# Altium PCB Cross_V1.PcbDoc (part 2 of 2)
Units mm, origin at the board's own origin, x right, y up, seen from the top; angles counter-clockwise.
Board outline 152 x 97 mm, 4 copper layers (Top Layer, Signal Layer 1, Signal Layer 2, Bottom Layer), stack 0.778 mm thick; 184 components, 138 nets, 608 pads, 164 vias.
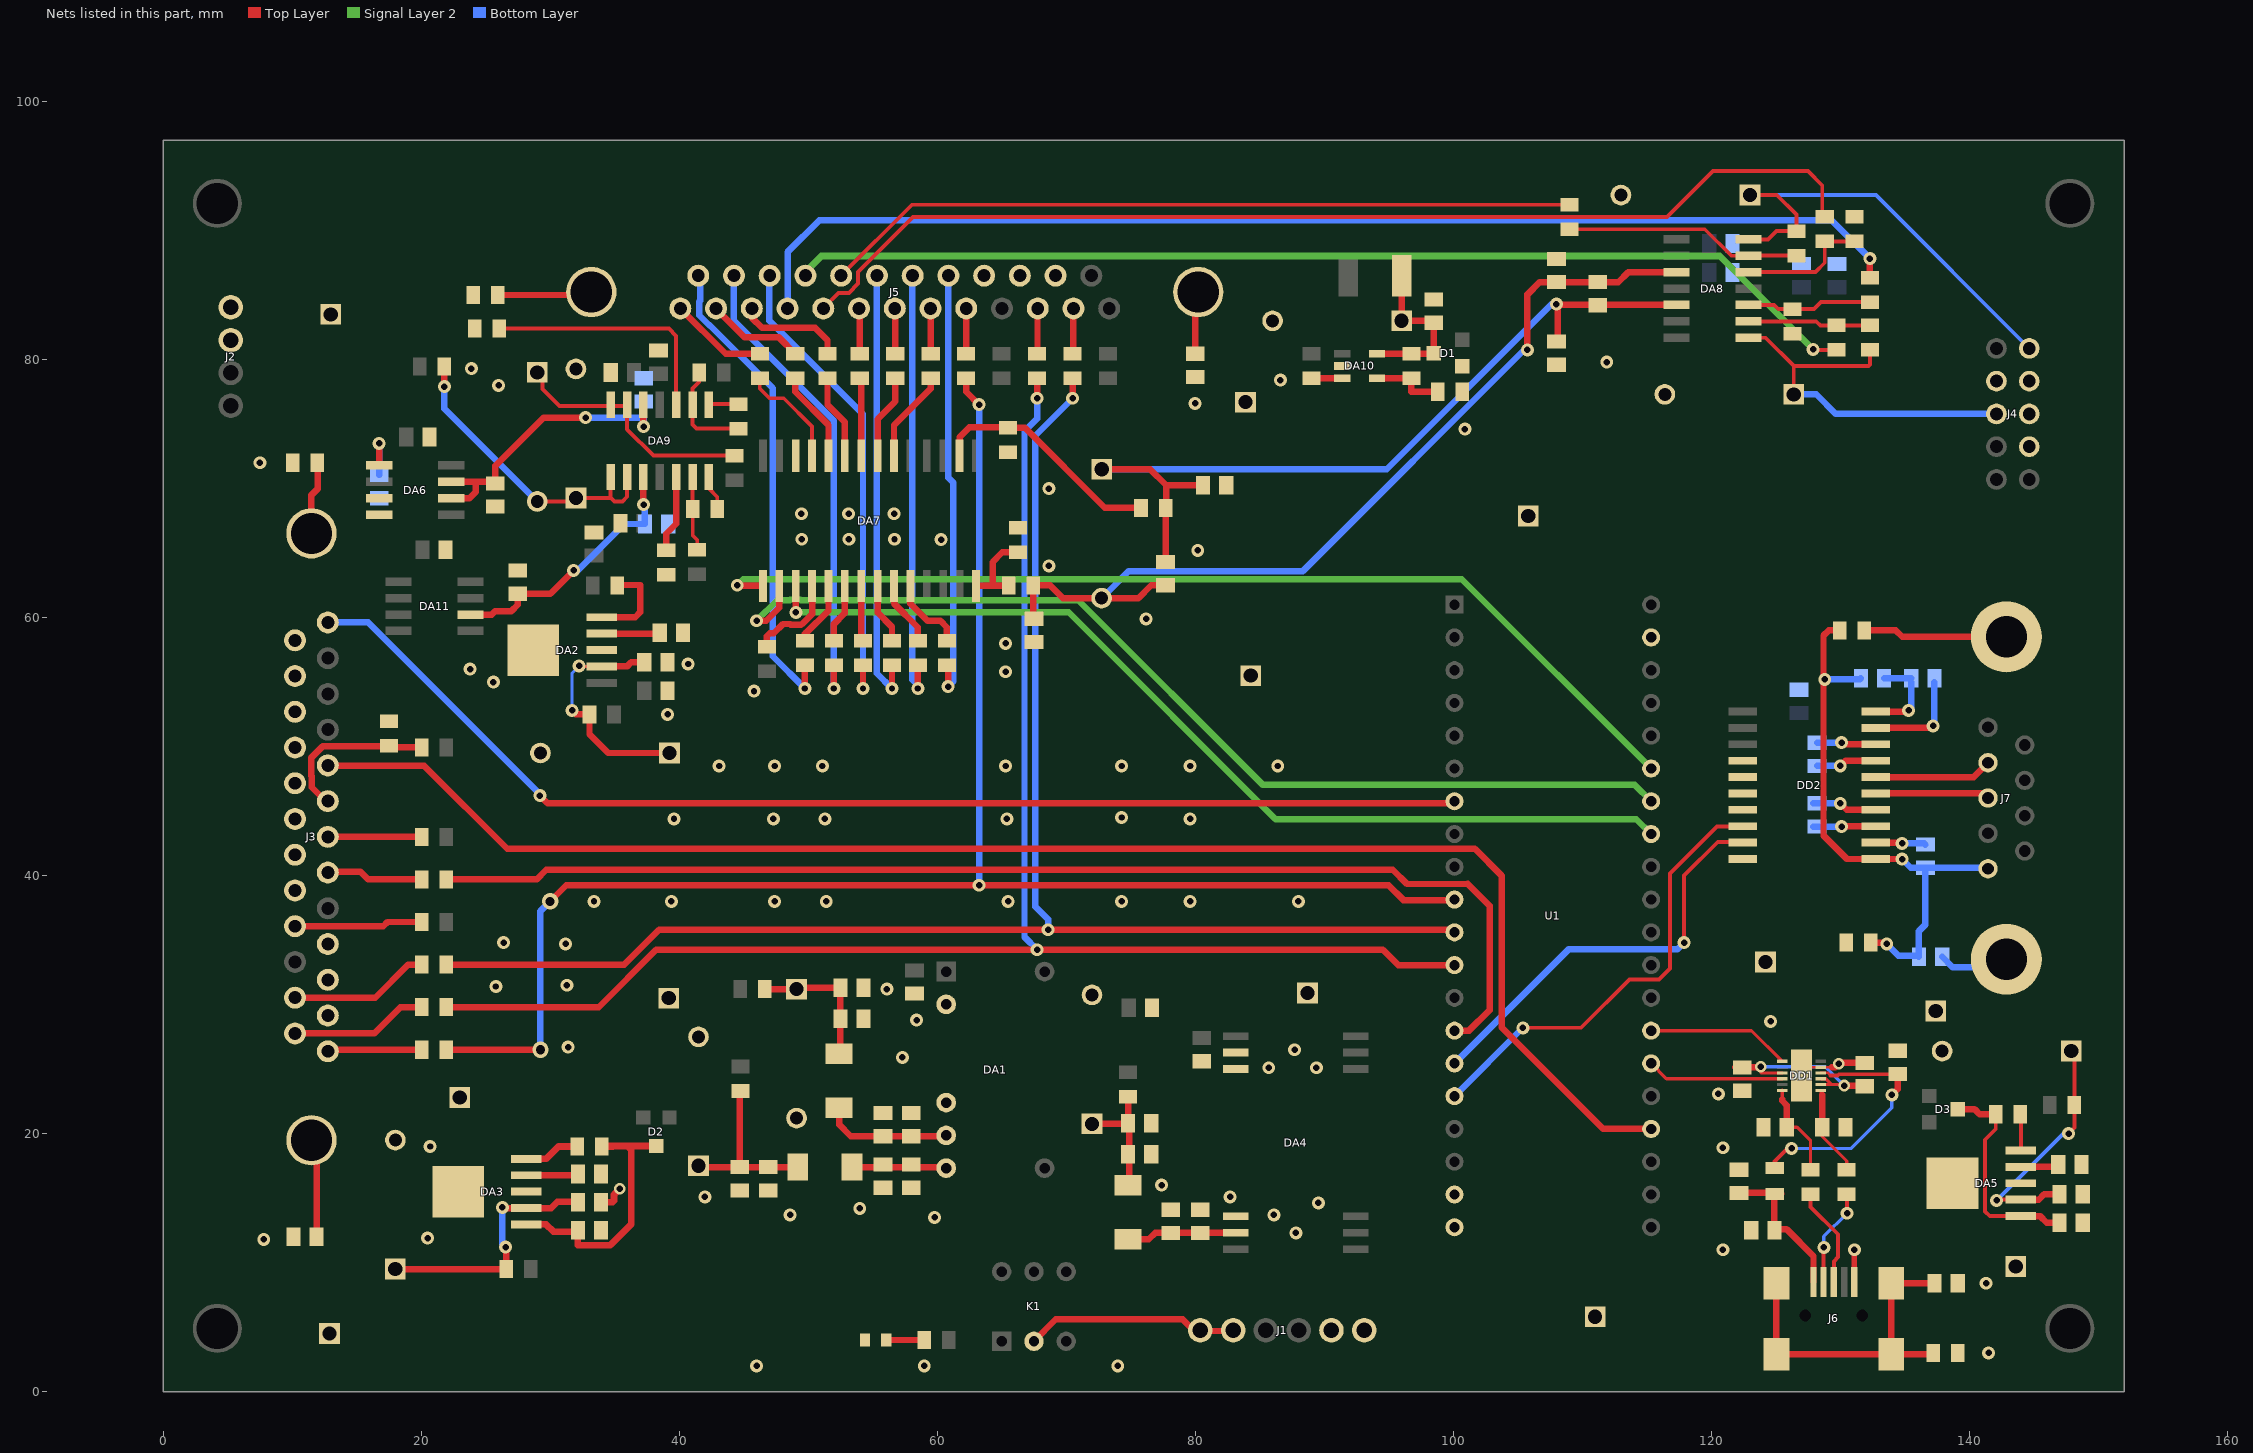
[diagram p4: the nets of this part, all layers, seen from the top]

## Via types
v1: diameter 1, hole 0.5, Top Layer to Bottom Layer, tented both sides, 121 vias
v2: diameter 1, hole 0.5, Top Layer to Bottom Layer, 35 vias
v3: diameter 0.9, hole 0.5, Top Layer to Bottom Layer, 4 vias
v4: diameter 1.27, hole 0.711, Top Layer to Bottom Layer, tented both sides, 4 vias

## Nets (pads, with @x,y where several pads share a name; then routed paths per layer and width w, separated by ;. In a path a pad name is that pad's centre, name@x,y a point inside that pad or via, vN(x,y) a via of type N, cw(c..) or ccw(c..) an arc to the next point about the centre after c; other vN are vias at no path point) (continued)
DR: J3.13 U1.7 | length 93.3
  Top Layer w0.5: v1(29.2,46.2) 29.8,45.6 99.94,45.6 U1.7@100.1,45.76 U1.7@100.056,45.804
  Bottom Layer w0.5: J3.13@12.77,59.62 15.899,59.62 29.2,46.319 v1(29.2,46.2)
DSYNC: J3.9 U1.24 | length 121.2
  Top Layer w0.5: J3.9@12.77,48.615 J3.9@12.77,48.54 12.81,48.5 20.25,48.5 26.68,42.07 101.68,42.07 103.75,40 103.75,28.25 111.64,20.36 U1.24@115.34,20.36
GND: C1.2 C2.2 C3.2 C4.2 C5.2 C6.2 C7.2 C8.2 C9.2 C10.1 C11.1 C12.2 C13.2 C14.2 C15.2 C16.2 C17.1 C18.1 C19.2 C20.1 C21.1 C22.1 C23.1 C24.1 C25.1 C26.1 C27.1 C28.1 C29.1 C30.1 C31.1 C32.1 C33.1 C34.2 C36.1 C37.1 C38.1 C39.1 C40.1 C41.2 C42.2 C43.1 C44.2 C45.2 C46.1 C47.2 C48.1 C49.1 C51.1 C55.2 C59.2 C60.2 C61.1 C62.1 C63.1 D1.1 DA1.2 DA1.5 DA2.3 DA2.6 DA3.3 DA3.6 DA4.2 DA4.3 DA4.12 DA5.3 DA5.6 DA6.3 DA6.4 DA7.12 DA10.2 DD1.5 DD1.13 DD2.4 DD2.5 DD2.6 DD2.7 DD2.10 J1.5 J1.6 J2.3 J2.4 J3.2 J3.3 J3.4 J3.18 J3.19 J3.20 J3.21 J3.22 J3.23 J3.24 J3.25 J4.3 J4.5 J4.7 J4.8 J5.15 J5.16 J5.17 J6.5 R10.2 R20.1 R23.1 R49.1 R51.1 R52.1 R55.1 R59.1 R60.2 R61.1 R62.1 R65.1 TP1.2 TP2.2 TP3.2 TP4.2 TP5.2 TP6.2 TP7.2 TP8.2 TP9.2 TP11.2 TP13.1 TP14.1 TP15.1 TP16.1 TP17.1 TP18.1 TP19.1 TP20.1 TP21.1 TP22.1 TP23.1 TP24.1 U1.19 U1.20 U1.39 VD1.1 | length 10.1
  Top Layer w0.2: DD1.13@127,24.5 127.65,25.15 DD1.5@128.5,25.15 129.35,25.15
  Top Layer w0.424: J6.5@131.1,8.5 v1(131.1,11)
  Top Layer w0.5: 129.35,25.15 129.6,25.15 v3(129.875,25.425) 129.925,25.475 C27.1@131.9,25.475
  Top Layer w0.508: C17.1@33.95,14.683 34.833,14.683 34.95,14.8 34.95,15.275 v3(35.4,15.725)
  Bottom Layer w0.254: v1(131.1,11) v1@131.2,11.1
  other v1: 46,2 59,2 74,2 141.5,3 141.3,8.4 120.9,11 7.8,11.8 20.5,11.9 87.8,12.3 59.8,13.5 48.6,13.7 86.1,13.7 54,14.2 89.55,14.625 42,15.1 82.7,15.1 77.4,16 120.9,18.9 20.7,19 120.55,23.075 85.7,25.1 89.4,25.1 57.3,25.9 87.7,26.5 31.4,26.7 124.6,28.7 58.4,28.8 56.1,31.2 25.8,31.4 31.3,31.5 31.2,34.7 26.4,34.8 33.4,38 39.4,38 47.4,38 51.4,38 65.5,38 74.3,38 79.6,38 88,38 39.6,44.4 47.3,44.4 51.3,44.4 65.4,44.4 79.6,44.4 74.3,44.5 43.1,48.494 47.4,48.494 51.1,48.494 65.3,48.494 74.3,48.494 79.6,48.494 86.4,48.494 39.1,52.5 45.8,54.3 25.6,55 65.3,55.8 23.8,56 40.7,56.4 65.3,58 76.2,59.9 68.662,64 80.2,65.2 60.308,66.04 49.505,66.065 53.162,66.065 56.693,66.065 49.479,68.047 53.137,68.047 56.667,68.047 68.662,70 7.5,72 100.9,74.6 80,76.6 26,78 86.6,78.4 23.9,79.3 111.9,79.8
GND_RS232: C56.2 C57.1 C58.2 DD2.11 J7.5 R48.1 R49.2 | length 45
  Top Layer w0.5: R48.1@130,58.95 R48.1@129.95,59 129.1,59 128.7,58.6 128.7,43.1 130.515,41.285 DD2.11@132.75,41.285 134.785,41.285 v2(134.8,41.27) ; R49.2@132.35,34.8 133.6,34.8 v2(133.6,34.7)
  Bottom Layer w0.5: v2(128.8,55.2) 131.5,55.2 C56.2@131.6,55.3 ; v2(133.6,34.7) 134.5,33.8 136,33.8 C58.2@136.1,33.7 136.1,35.7 136.6,36.2 C57.1@136.6,40.6 ; v2(134.8,41.27) 135.47,40.6 C57.1@136.6,40.6 ; J7.5@141.455,40.53 141.385,40.6 C57.1@136.6,40.6
"Hall Multiplexer A0": DA7.15 U1.35 | length 79.1
  Top Layer w0.5: v1(44.5,62.5) 44.55,62.45 DA7.15@46.495,62.45
  Signal Layer 2 w0.5: v1(44.5,62.5) 44.975,62.975 100.665,62.975 U1.35@115.34,48.3
"Hall Multiplexer A1": DA7.16 U1.34 | length 80.4
  Top Layer w0.5: v1(46,59.75) 46.75,59.75 47.765,60.765 DA7.16@47.765,62.45
  Signal Layer 2 w0.5: v1(46,59.75) 47.6,61.35 48.577,61.35 48.627,61.4 49.373,61.4 49.423,61.35 70.925,61.35 85.25,47.025 114.075,47.025 U1.34@115.34,45.76
"Hall Multiplexer A2": DA7.17 U1.33 | length 75.5
  Top Layer w0.5: DA7.17@49.035,62.45 49,62.415 49.05,62.365 v1(49.05,60.4)
  Signal Layer 2 w0.5: v1(49.05,60.4) 70.2,60.4 86.23,44.37 114.19,44.37 U1.33@115.34,43.22
MISO: R8.1 R18.1 U1.11 | length 124.1
  Top Layer w0.5: R8.1@21.95,33.1 35.742,33.1 38.442,35.8 v1(68.6,35.8) 99.7,35.8 100,35.5 U1.11@100.1,35.6 ; v1(70.5,77) 70.5,78.35 70.6,78.45 R18.1@70.5,78.55
  Bottom Layer w0.5: v1(68.6,35.8) 68.6,36.6 67.6,37.6 67.6,74.1 v1(70.5,77) v1@70.5,77.25
MISO1: J5.2 R18.2 | length 3.5
  Top Layer w0.5: R18.2@70.5,80.45 70.545,80.495 J5.2@70.545,83.96
MOSI: R7.1 R16.1 U1.12 | length 125.6
  Top Layer w0.5: R7.1@21.95,29.8 33.762,29.8 38.212,34.25 v1(67.75,34.25) 94.55,34.25 95.74,33.06 U1.12@100.1,33.06 ; v1(67.75,77) 67.75,78.45 67.8,78.5 R16.1@67.75,78.55
  Bottom Layer w0.5: v1(67.75,34.25) 66.769,35.231 66.769,37.256 66.769,73.756 66.769,74.444 67.75,75.426 v1(67.75,77)
MOSI1: J5.3 R16.2 | length 3.5
  Top Layer w0.5: R16.2@67.75,80.45 67.775,80.475 J5.3@67.775,83.96
NetC1_1: C1.1 C2.1 DA1.6 L1.1 | length 10
  Top Layer w0.5: L1.1@52.4,22 52.4,20.7 53.3,19.8 C1.1@55.8,19.8 C2.1@58,19.8 60.56,19.8 60.66,19.9 DA1.6@60.7,19.86
NetC3_1: C3.1 C4.1 L1.2 R24.1 TP1.1 | length 11
  Top Layer w0.5: R24.1@46.65,31.2 TP1.1@49.1,31.2 49.2,31.3 C4.1@52.5,31.3 C3.1@52.5,28.9 52.5,26.3 L1.2@52.4,26.2
NetC6_1: C6.1 C7.1 DA1.7 L2.1 | length 7.1
  Top Layer w0.5: L2.1@53.6,17.4 55.9,17.4 58.1,17.4 60.62,17.4 DA1.7@60.7,17.32
NetC8_1: C8.1 C9.1 L2.2 R26.1 TP3.1 | length 13.9
  Top Layer w0.5: TP3.1@41.5,17.5 41.6,17.4 C8.1@44.7,17.4 ; R26.1@44.75,23.3 44.7,23.25 C8.1@44.7,17.4 ; C9.1@46.9,17.4 C8.1@44.7,17.4 ; C9.1@46.9,17.5 47,17.4 L2.2@49.4,17.4
NetC10_2: C10.2 DA2.2 R25.1 TP2.1 | length 18.7
  Top Layer w0.254: v1(31.7,52.8) v1@32,52.5 ; v1(32.25,56.25) 32.29,56.21 DA2.2@34,56.21
  Top Layer w0.5: v1@32,52.5 R25.1@33.05,52.5 33.05,50.95 34.5,49.5 TP2.1@39.25,49.5 ; DA2.2@34,56.21 35.96,56.21 36.274,56.524 C10.2@37.29,56.524
  Bottom Layer w0.254: v1(31.7,52.8) 31.7,55.7 v1(32.25,56.25)
NetC11_2: C11.2 DA2.4 | length 4.5
  Top Layer w0.5: DA2.4@34,58.75 38.416,58.75 C11.2@38.49,58.824
NetC12_1: C12.1 C13.1 DA4.13 L3.1 | length 8.4
  Top Layer w0.5: L3.1@74.8,11.8 76.4,11.8 76.9,12.3 C13.1@78.1,12.3 ; C13.1@78.2,12.3 C12.1@80.3,12.3 ; C12.1@80.4,12.3 83.135,12.3 DA4.13@83.15,12.315
NetC14_1: C14.1 C15.1 L3.2 R27.1 TP5.1 | length 8.8
  Top Layer w0.5: TP5.1@72,20.75 74.75,20.75 C15.1@74.8,20.8 R27.1@74.8,22.45 ; C14.1@74.8,18.7 74.9,18.6 L3.2@74.9,16.5 ; C14.1@74.9,18.7 C15.1@74.9,20.8
NetC16_1: C16.1 D2.3 DA3.1 R2.1 | length 21.5
  Top Layer w0.508: DA3.1@28.16,12.96 29.69,12.96 30.25,12.4 32.05,12.4 C16.1@32.15,12.5 32.15,11.361 34.671,11.361 36.304,12.994 36.304,18.736 36,19.04 ; 34.85,19 R2.1@34,19 34.04,19.04 36,19.04 ; D2.3@38.234,19.04 36,19.04
NetC17_2: C17.2 DA3.2 R28.1 TP4.1 | length 19.6
  Top Layer w0.508: TP4.1@18,9.5 R28.1@26.6,9.5 26.6,11.15 v1(26.55,11.2) ; v1(26.3,14.275) 26.345,14.23 DA3.2@28.16,14.23 30.08,14.23 30.55,14.7 32.133,14.7 C17.2@32.15,14.683
  Bottom Layer w0.508: v1(26.3,14.275) 26.3,11.45 v1(26.55,11.2)
NetC18_2: C18.2 DA3.4 | length 4
  Top Layer w0.508: DA3.4@28.16,16.77 32.053,16.77 C18.2@32.15,16.867
NetC19_1: C19.1 D3.3 DA5.1 R3.1 | length 17
  Top Layer w0.3: R3.1@142.05,21.5 142.05,20.35 141.225,19.525 141.225,13.975 141.59,13.61 DA5.1@143.996,13.61
  Top Layer w0.5: D3.3@139.1,21.9 140.4,21.9 140.8,21.5 R3.1@142.05,21.5 ; DA5.1@143.996,13.61 145.49,13.61 146,13.1 C19.1@146.9,13.1
NetC20_2: C20.2 DA5.2 R29.1 TP6.1 | length 19.5
  Top Layer w0.3: v2(142.12,14.82) 142.12,14.88 DA5.2@143.996,14.88 ; v2(147.7,20) 148.15,20.45 R29.1@148.15,22.2 148.15,26.15 TP6.1@147.9,26.4
  Top Layer w0.5: DA5.2@143.996,14.88 145.38,14.88 145.8,15.3 C20.2@147,15.3
  Bottom Layer w0.3: v2(142.12,14.82) 147.3,20 v2(147.7,20)
NetC21_2: C21.2 DA5.4 | length 3.1
  Top Layer w0.5: DA5.4@143.996,17.42 146.52,17.42 C21.2@146.9,17.8
NetC23_2: C23.2 C59.1 DA9.3 DA11.6 | length 20.6
  Top Layer w0.5: DA11.6@23.838,60.23 25.48,60.23 25.75,60.5 27,60.5 27.5,61 C23.2@27.5,61.85 30.025,61.85 v2(31.825,63.65) ; DA9.3@37.23,70.9 37.23,68.77 v2(37.25,68.75)
  Bottom Layer w0.5: v2(31.825,63.65) 32.15,63.65 35.75,67.25 C59.1@37.35,67.25 37.35,68.65 v2(37.25,68.75)
NetC24_2: C24.2 DD1.4 L4.1 | length 20.4
  Top Layer w0.2: DD1.4@128.5,24.7 129.05,24.7 129.25,24.5
  Top Layer w0.3: 129.25,24.5 129.8,24.5 129.9,24.6 134.425,24.6 C24.2@134.45,24.625
  Top Layer w0.305: L4.1@125.425,17.325 124.912,17.837 125.925,18.85 v1(126.225,18.85)
  Top Layer w0.5: v1(134,23) 134.45,23.45 C24.2@134.45,24.625
  Bottom Layer w0.254: v1(126.225,18.85) 130.85,18.85 134,22 v1(134,23)
NetC25_2: C25.2 C26.2 J6.1 L4.2 | length 11.7
  Top Layer w0.5: C25.2@122.15,15.4 L4.2@124.925,15.4 ; C26.2@124.9,12.5 124.9,15.375 L4.2@124.925,15.4 ; L4.2@124.925,15.325 L4.2@124.925,15.4 ; C26.2@125.425,12.6 125.825,12.6 127.925,10.5 J6.1@127.925,8.5 ; L4.2@125.425,15.325 125.35,15.4 L4.2@124.925,15.4
NetC27_2: C27.2 C33.2 DD1.2 DD1.3 DD1.9 | length 15.6
  Top Layer w0.254: v3@123.825,25.15 v3(123.85,25.175) 123.85,24.7 DD1.9@125.5,24.7 ; DD1.2@128.5,23.8 129.332,23.8 ; DD1.3@128.5,24.25 128.882,24.25 129.332,23.8 ; v3(130.3,23.725) 130.225,23.8 129.332,23.8 ; C27.2@131.85,23.725 C27.2@131.9,23.675
  Top Layer w0.5: C33.2@121.875,25.15 v3@123.825,25.15 ; v3(130.3,23.725) C27.2@131.85,23.725
  Bottom Layer w0.254: v3(123.85,25.175) 128.85,25.175 v3(130.3,23.725)
NetC28_2: C28.2 DD1.12 R22.1 | length 7.5
  Top Layer w0.254: 125.5,22.675 DD1.12@125.5,23.35 ; C28.2@125.85,20.5 126.65,20.5 127.7,19.45 R22.1@127.7,17.2
  Top Layer w0.5: 125.5,22.675 125.5,22.535 125.85,22.185 C28.2@125.85,20.5
NetC29_2: C29.2 DD1.1 R21.1 | length 7
  Top Layer w0.2: DD1.1@128.5,23.35 128.5,23.1 128.6,23
  Top Layer w0.254: C29.2@128.6,20.5 128.6,19.775 130.5,17.875 R21.1@130.5,17.2
  Top Layer w0.5: C29.2@128.6,20.5 128.6,23
NetC30_2: C30.2 J6.6 R23.2 | length 26.4
  Top Layer w0.5: J6.6@125.05,8.4 J6.6@125.05,2.9 J6.6@133.95,2.9 ; R23.2@137.05,3 136.95,2.9 J6.6@133.95,2.9 ; C30.2@137.3,8.4 J6.6@133.95,8.4 J6.6@133.95,2.9
NetC34_1: C34.1 C35.2 C41.1 C50.2 DA8.3 R33.1 TP10.2 | length 71.4
  Top Layer w0.5: 106.7,86 C41.1@108,86 C50.2@111.2,86 112.8,86 113.55,86.75 114.48,86.75 114.5,86.77 DA8.3@117.3,86.77
  Top Layer w0.508: C34.1@67.5,59.9 67.45,59.95 R33.1@67.45,62.5 68.75,62.5 69.75,61.5 TP10.2@72.75,61.5 75.6,61.5 76.6,62.5 C35.2@77.7,62.5 ; v2@105.6,80.9 v2(105.75,80.75) 105.75,85.05 106.7,86
  Bottom Layer w0.508: TP10.2@72.75,61.5 74.85,63.6 88.35,63.6 105.5,80.75 v2(105.75,80.75)
NetC35_1: C35.1 C36.2 C50.1 C51.2 DA8.5 R43.1 TP10.1 | length 66.6
  Top Layer w0.3: v1(108,84.3) 108.07,84.23 v1@108.1,84.2
  Top Layer w0.5: TP10.1@72.75,71.5 76.5,71.5 77.75,70.25 ; C35.1@77.7,64.3 R43.1@77.7,68.5 77.75,68.55 77.75,70.25 ; C36.2@80.6,70.25 77.75,70.25 ; v1@108.07,84.23 DA8.5@117.3,84.23 ; C51.2@108.1,81.9 v1@108.1,84.2
  Bottom Layer w0.5: TP10.1@72.75,71.5 94.844,71.5 107.644,84.3 v1(108,84.3)
NetC43_2: C43.2 D1.3 DA10.5 FU1.1 R19.2 TP11.1 | length 12.8
  Top Layer w0.5: DA10.5@94.1,80.45 R19.2@96.75,80.45 98.45,80.45 D1.3@98.5,80.5 C43.2@98.5,82.85 98.35,83 TP11.1@96,83 FU1.1@96,86.5
NetC48_2: C48.2 J3.26 | length 7.6
  Top Layer w0.5: J3.26@11.5,19.48 11.9,19.08 C48.2@11.9,12
NetC49_2: C49.2 J5.27 | length 4.9
  Top Layer w0.5: C49.2@80,80.45 80,85.015 J5.27@80.215,85.23
NetC52_1: C52.1 DD2.18 | length 4.6
  Top Layer w0.5: v2(130.1,50.3) 130.225,50.175 DD2.18@132.75,50.175
  Bottom Layer w0.5: C52.1@128.2,50.3 v2(130.1,50.3)
NetC52_2: C52.2 DD2.17 | length 4.7
  Top Layer w0.5: v2(130,48.5) 130.405,48.905 DD2.17@132.75,48.905
  Bottom Layer w0.5: C52.2@128.2,48.5 v2(130,48.5)
NetC53_1: C53.1 DD2.14 | length 5.1
  Top Layer w0.5: v2(130,45.6) 130.505,45.095 DD2.14@132.75,45.095
  Bottom Layer w0.5: C53.1@127.9,45.6 v2(130,45.6)
NetC53_2: C53.2 DD2.13 | length 4.9
  Top Layer w0.5: v2(130.1,43.8) 130.125,43.825 DD2.13@132.75,43.825
  Bottom Layer w0.5: C53.2@127.9,43.8 v2(130.1,43.8)
NetC54_1: C54.1 DD2.19 | length 8
  Top Layer w0.5: DD2.19@132.75,51.445 137.145,51.445 137.2,51.5 v2(137.2,51.6)
  Bottom Layer w0.5: v2(137.2,51.6) 137.3,51.7 C54.1@137.3,55
NetC54_2: C54.2 C56.1 DD2.20 | length 7
  Top Layer w0.5: DD2.20@132.75,52.715 135.215,52.715 v2(135.3,52.8)
  Bottom Layer w0.5: C56.1@133.4,55.3 C54.2@135.5,55.3 ; v2(135.3,52.8) 135.5,53 C54.2@135.5,55
NetC57_2: C57.2 DD2.12 | length 3.9
  Top Layer w0.5: DD2.12@132.75,42.555 134.745,42.555 v2(134.8,42.5)
  Bottom Layer w0.5: v2(134.8,42.5) 136.5,42.5 C57.2@136.6,42.4
NetC58_1: C58.1 J7.11 | length 5.6
  Bottom Layer w0.5: C58.1@137.9,33.7 138.7,32.9 142.263,32.9 J7.11@142.878,33.515
NetC60_1: C60.1 C61.2 DA6.6 DA6.7 DA9.12 | length 24.5
  Top Layer w0.5: DA6.6@22.338,69.25 23.75,69.25 24.25,69.75 24.25,70.52 ; DA6.7@22.338,70.52 24.25,70.52 ; v2(32.75,75.5) 29.5,75.5 25.75,71.75 C61.2@25.75,70.4 25.63,70.52 24.25,70.52 ; DA9.12@37.23,76.488 37.23,74.825 v2(37.252,74.804)
  Bottom Layer w0.5: v2(32.75,75.5) 37,75.5 37.25,75.75 ; C60.1@37.25,76.75 37.25,75.75 ; v2(37.252,74.804) 37.252,75.748 37.25,75.75
NetC62_2: C62.2 DA6.1 | length 4.2
  Top Layer w0.5: DA6.1@16.75,71.79 v2(16.75,73.5)
  Bottom Layer w0.5: C62.2@16.75,71.05 v2(16.75,73.5)
NetDA2_5: DA2.5 R1.2 | length 7.2
  Top Layer w0.5: DA2.5@34,60.02 36.586,60.02 36.99,60.424 36.99,62.524 R1.2@35.04,62.524
NetDA3_5: DA3.5 R2.2 | length 4.3
  Top Layer w0.508: DA3.5@28.16,18.04 29.69,18.04 30.65,19 R2.2@32.1,19
NetDA5_5: DA5.5 R3.2 | length 2.8
  Top Layer w0.3: R3.2@143.95,21.5 143.996,21.454 DA5.5@143.996,18.69
NetDA7_2: DA7.2 R43.2 R61.2 | length 18.4
  Top Layer w0.5: DA7.2@61.735,72.55 61.735,73.985 62.5,74.75 65.45,74.75 R61.2@65.5,74.7 66.8,74.7 73,68.5 R43.2@75.8,68.5
NetDA7_6: DA7.6 R34.1 | length 7.2
  Top Layer w0.5: DA7.6@56.655,72.55 56.655,74.905 59.5,77.75 R34.1@59.5,78.55
NetDA7_7: DA7.7 R35.1 | length 6.6
  Top Layer w0.5: DA7.7@55.385,72.55 55.385,75.385 56.75,76.75 R35.1@56.75,78.55
NetDA7_8: DA7.8 R36.1 | length 6
  Top Layer w0.5: R36.1@54,78.55 54.115,78.435 DA7.8@54.115,72.55
NetDA7_9: DA7.9 R37.1 | length 6.6
  Top Layer w0.5: R37.1@51.5,78.55 51.5,76.5 52.845,75.155 DA7.9@52.845,72.55
NetDA7_10: DA7.10 R38.1 | length 7.1
  Top Layer w0.5: R38.1@49,78.55 49,77.5 51.575,74.925 DA7.10@51.575,72.55
NetDA7_11: DA7.11 R39.1 | length 8.3
  Top Layer w0.3: R39.1@46.25,78.55 46.25,77.75 47,77 48.11,77 50.305,74.805 DA7.11@50.305,72.55
NetDA7_18: DA7.18 R12.2 | length 7.3
  Top Layer w0.5: R12.2@46.8,57.725 46.8,58.55 47.025,58.775 47.325,58.775 48.05,59.5 48.606,59.5 48.656,59.45 49.444,59.45 49.494,59.5 49.55,59.5 50.305,60.255 DA7.18@50.305,62.45
NetDA7_19: DA7.19 R47.1 | length 5
  Top Layer w0.5: R47.1@49.75,58.2 49.75,58.75 49.8,58.8 49.84,58.8 51.575,60.535 DA7.19@51.575,62.45
NetDA7_20: DA7.20 R46.1 | length 4.6
  Top Layer w0.5: R46.1@52,58.2 52,59.5 52.845,60.345 DA7.20@52.845,62.45
NetDA7_21: DA7.21 R45.1 | length 4.3
  Top Layer w0.5: DA7.21@54.115,62.45 54.115,58.335 R45.1@54.25,58.2
NetDA7_22: DA7.22 R44.1 | length 4.7
  Top Layer w0.5: DA7.22@55.385,62.45 55.385,60.385 56.5,59.27 R44.1@56.5,58.2
NetDA7_23: DA7.23 R42.1 | length 5.1
  Top Layer w0.5: DA7.23@56.655,62.45 56.655,61.095 58.5,59.25 58.5,58.45 R42.1@58.75,58.2
NetDA7_24: DA7.24 R41.1 | length 6.1
  Top Layer w0.5: DA7.24@57.925,62.45 57.925,61.075 59.25,59.75 60.25,59.75 60.75,59.25 60.75,58.45 R41.1@61,58.2
NetDA7_28: DA7.28 R33.2 R60.1 | length 6.7
  Top Layer w0.5: DA7.28@63.005,62.45 64.3,62.45 ; R33.2@65.55,62.25 65.35,62.45 64.3,62.45 ; R60.1@66.25,65.05 65.05,65.05 64.3,64.3 64.3,62.45
NetDA8_9: DA8.9 R32.2 R53.1 | length 9.5
  Top Layer w0.3: DA8.9@122.888,82.96 128.14,82.96 128.46,82.64 R53.1@129.7,82.64 R32.2@132.3,82.64
NetDA8_10: DA8.10 R54.1 R55.2 | length 9.8
  Top Layer w0.3: DA8.10@122.888,84.23 124.87,84.23 125.19,83.91 R55.2@126.3,83.91 127.96,83.91 128.5,84.45 R54.1@132.3,84.45
NetDA8_12: DA8.12 R58.1 R59.2 | length 10.2
  Top Layer w0.3: DA8.12@122.888,86.77 128.07,86.77 128.8,87.5 R58.1@128.8,89.15 R59.2@131.1,89.15
NetDA8_13: DA8.13 R56.2 R57.1 | length 18.6
  Top Layer w0.3: R57.1@109,90.1 119.5,90.1 121.56,88.04 DA8.13@122.888,88.04 122.898,88.05 R56.2@126.6,88.05 R56.2@126.7,88.05
NetDA9_1: DA9.1 DA9.2 R30.1 TP7.1 TP12.2 | length 23.9
  Top Layer w0.3: TP12.2@29,69 31.73,69 TP7.1@32,69.27 34.73,69.27 ; DA9.1@34.69,70.8 34.69,69.31 34.73,69.27 ; DA9.2@35.96,70.8 35.96,69.36 35.6,69 35,69 34.73,69.27
  Top Layer w0.5: v1(21.8,77.9) R30.1@21.8,79.45
  Bottom Layer w0.5: v1(21.8,77.9) 21.9,77.8 21.8,77.8 21.8,76.2 TP12.2@29,69
NetDA9_5: DA9.5 R62.2 | length 6
  Top Layer w0.5: R62.2@39,65.2 39,66.5 39.77,67.27 DA9.5@39.77,70.9
NetDA9_6: DA9.6 R63.2 R64.1 | length 5.8
  Top Layer w0.3: DA9.6@41.04,70.9 41.04,68.41 R64.1@41.05,68.4 41.05,66.35 41.4,66 R63.2@41.4,65.25
NetDA9_7: DA9.7 R64.2 | length 2.8
  Top Layer w0.3: DA9.7@42.31,70.9 42.31,69.99 42.95,69.35 R64.2@42.95,68.4
NetDA9_8: DA9.8 R67.2 | length 2.3
  Top Layer w0.3: DA9.8@42.31,76.488 42.372,76.55 R67.2@44.6,76.55
NetDA9_9: DA9.9 R66.2 R67.1 | length 7.9
  Top Layer w0.3: R66.2@41.55,79 41.55,78.25 41.04,77.74 DA9.9@41.04,76.488 41.04,74.96 41.35,74.65 R67.1@44.6,74.65
NetDA9_10: DA9.10 R65.2 | length 19.3
  Top Layer w0.3: R65.2@26.05,82.4 39.2,82.4 39.77,81.83 DA9.10@39.77,76.488
NetDA9_13: DA9.13 DA9.14 R40.1 TP12.1 | length 19.6
  Top Layer w0.3: TP12.1@29,79 29.4,78.6 29.4,77.7 30.712,76.388 35.96,76.388 35.96,74.59 38,72.55 R40.1@44.3,72.55
NetDA10_3: DA10.3 R14.2 | length 2.4
  Top Layer w0.5: R14.2@89,78.55 DA10.3@91.4,78.55
NetDA10_4: DA10.4 R19.1 R20.2 | length 5.7
  Top Layer w0.5: DA10.4@94.1,78.55 R19.1@96.75,78.55 96.75,77.5 R20.2@98.8,77.5
NetDD2_15: DD2.15 J7.3 | length 8.9
  Top Layer w0.5: DD2.15@132.75,46.365 141.1,46.365 J7.3@141.455,46.01
NetDD2_16: DD2.16 J7.2 | length 9.2
  Top Layer w0.5: DD2.16@132.75,47.635 140.34,47.635 J7.2@141.455,48.75
NetJ1_1: J1.1 J1.2 K1.2 | length 16
  Top Layer w0.5: K1.2@67.5,3.9 69.2,5.6 79.02,5.6 79.92,4.7 J1.2@82.46,4.7
NetJ3_1: J3.1 R4.2 | length 7.3
  Top Layer w0.5: J3.1@12.77,26.38 12.89,26.5 R4.2@20.05,26.5
NetJ3_6: J3.6 R5.2 | length 7.6
  Top Layer w0.5: J3.6@12.77,40.23 12.84,40.3 15.3,40.3 15.9,39.7 R5.2@20.05,39.7
NetJ3_7: J3.7 R6.2 | length 7.3
  Top Layer w0.5: J3.7@12.77,43 R6.2@20.05,43
NetJ3_14: J3.14 R7.2 | length 10.7
  Top Layer w0.5: 18.395,29.8 R7.2@20.05,29.8
  Top Layer w0.508: J3.14@10.23,27.765 16.36,27.765 18.395,29.8
NetJ3_15: J3.15 R8.2 | length 11.7
  Top Layer w0.5: J3.15@10.83,30.5 10.548,30.217 J3.15@10.23,30.535 16.435,30.535 19,33.1 R8.2@20.05,33.1
NetJ3_17: J3.17 R9.2 | length 10
  Top Layer w0.5: J3.17@10.23,36.075 17.075,36.075 17.4,36.4 R9.2@20.05,36.4
NetJ3_27: J3.27 R51.2 | length 5.7
  Top Layer w0.5: J3.27@11.5,66.52 11.5,69.5 12,70 12,71.95 R51.2@11.95,72
NetJ5_26: J5.26 R52.2 | length 7.3
  Top Layer w0.5: R52.2@25.95,85 32.945,85 J5.26@33.175,85.23
NetJ6_2: J6.2 R21.2 | length 7.6
  Top Layer w0.305: J6.2@128.7,8.5 128.7,11.15 v1(128.725,11.175) ; R21.2@130.5,15.3 130.525,15.275 v1(130.525,13.825)
  Bottom Layer w0.254: v1(128.725,11.175) 128.725,12.025 v1(130.525,13.825)
NetJ6_3: J6.3 R22.2 | length 7.8
  Top Layer w0.305: R22.2@127.7,15.3 127.7,14.325 129.825,12.2 129.825,10.425 129.5,10.1 J6.3@129.5,8.5
NetJ7_10: J7.10 R48.2 | length 11.2
  Top Layer w0.5: R48.2@131.85,59 134.3,59 134.795,58.505 J7.10@142.878,58.505
NetR50_1: R50.1 VD1.2 | length 2.9
  Top Layer w0.5: VD1.2@56.05,4 R50.1@59,4
Polarization: J3.8 R10.1 R11.1 | length 13
  Top Layer w0.5: J3.8@12.77,45.77 12.605,45.77 11.53,46.845 11.53,47.693 11.47,47.753 11.47,49.12 12.36,50.01 17.5,50.01 R10.1@17.5,50.05 17.607,49.943 R11.1@20.05,49.943
Reset: R5.1 U1.14 | length 93.8
  Top Layer w0.5: R5.1@21.95,39.7 28.956,39.7 29.706,40.45 95.313,40.45 96.418,39.345 101.13,39.345
  Top Layer w0.508: U1.14@100.1,27.98 101.23,27.98 102.816,29.566 102.816,37.659 101.13,39.345
RX: DD1.7 U1.27 | length 11.1
  Top Layer w0.254: U1.27@115.34,27.98 123.12,27.98 DD1.7@125.5,25.6
RX_UART3: DD2.8 U1.16 | length 35.2
  Top Layer w0.3: v2(105.4,28.2) 109.9,28.2 113.65,31.95 115.95,31.95 116.8,32.8 116.8,40.15 120.45,43.8 DD2.8@122.35,43.8
  Bottom Layer w0.5: U1.16@100.1,22.9 v2(105.4,28.2)
SCLK: R4.1 R13.1 U1.10 | length 129.9
  Top Layer w0.5: R4.1@21.95,26.5 v4(29.25,26.5) ; v4(30,38) 31.25,39.25 v1(63.25,39.25) 94.989,39.25 96.139,38.1 U1.10@100.1,38.1 ; R13.1@62.25,78.55 62.25,77.5 v1(63.25,76.5)
  Bottom Layer w0.5: v4(29.25,26.5) 29.25,37.25 v4(30,38) ; v1(63.25,39.25) v1(63.25,76.5)
SCLK1: J5.5 R13.2 | length 3.5
  Top Layer w0.5: J5.5@62.235,83.96 62.25,83.945 R13.2@62.25,80.45
T1_Gnd: J5.22 R53.2 | length 83.7
  Top Layer w0.3: v2(127.9,80.78) 127.94,80.74 R53.2@129.7,80.74
  Signal Layer 2 w0.508: J5.22@49.79,86.5 49.79,86.79 51.025,88.025 120.655,88.025 v2(127.9,80.78)
T2_Gnd: J5.21 R57.2 | length 58.7
  Top Layer w0.3: J5.21@52.56,86.5 58.06,92 R57.2@109,92
TX: DD1.10 U1.26 | length 10.7
  Top Layer w0.254: U1.26@115.4,25.5 U1.26@115.34,25.44 116.53,24.25 DD1.10@125.5,24.25
TX_UART3: DD2.9 U1.15 | length 32.4
  Top Layer w0.3: v2(117.9,34.8) 117.9,40 120.5,42.6 DD2.9@122.35,42.6
  Bottom Layer w0.5: U1.15@100.1,25.44 108.935,34.275 117.375,34.275 v2(117.9,34.8)
V1refx: J5.25 R47.2 | length 37.5
  Top Layer w0.5: v1(49.75,54.5) R47.2@49.75,56.3
  Bottom Layer w0.5: J5.25@41.46,86.5 41.25,86.29 41.625,85.915 41.625,84.558 41.565,84.498 41.565,83.422 42.327,82.66 42.377,82.66 47.25,77.787 47.25,57 v1(49.75,54.5)
V1refy: J5.24 R46.2 | length 37
  Top Layer w0.5: v1(52,54.5) R46.2@52,56.3
  Bottom Layer w0.5: J5.24@44.23,86.5 44.23,83.02 52,75.25 v1(52,54.5)
V1refz: J5.23 R45.2 | length 36.8
  Top Layer w0.5: v1(54.25,54.5) R45.2@54.25,56.3
  Bottom Layer w0.5: J5.23@47,86.5 47,83 54.25,75.75 v1(54.25,54.5)
V1temp: J5.10 R54.2 | length 92
  Top Layer w0.5: R54.2@132.3,86.35 v2(132.3,87.825)
  Bottom Layer w0.5: J5.10@48.405,83.96 48.405,88.334 50.851,90.78 129.345,90.78 v2(132.3,87.825)
V1x: J5.13 R39.2 | length 7.6
  Top Layer w0.5: J5.13@40.095,83.96 43.605,80.45 R39.2@46.25,80.45
V1y: J5.12 R38.2 | length 7.6
  Top Layer w0.5: J5.12@42.845,83.96 45.093,81.712 47.738,81.712 R38.2@49,80.45
V1z: J5.11 R37.2 | length 8.4
  Top Layer w0.5: J5.11@45.615,83.96 45.615,83.265 46.431,82.448 50.552,82.448 51.5,81.5 R37.2@51.5,80.45
V2refx: J5.20 R44.2 | length 34.3
  Top Layer w0.5: v1(56.5,54.5) R44.2@56.5,56.3
  Bottom Layer w0.5: J5.20@55.31,86.5 55.31,55.69 v1(56.5,54.5)
V2refy: J5.19 R42.2 | length 34.1
  Top Layer w0.5: v1(58.5,54.5) 58.5,56.05 R42.2@58.75,56.3
  Bottom Layer w0.5: J5.19@58.08,86.5 58.08,55.17 58.5,54.75 v1(58.5,54.5)
V2refz: J5.18 R41.2 | length 33.9
  Top Layer w0.5: v1(60.85,54.65) 60.85,56.15 R41.2@61,56.3
  Bottom Layer w0.5: v1(60.85,54.65) 61.258,55.058 61.258,70.444 60.85,70.852 J5.18@60.85,86.5
V2temp: J5.9 R58.2 | length 85.4
  Top Layer w0.3: J5.9@51.25,84.055 52.361,85.166 53.162,85.166 53.873,85.877 53.873,86.798 58.125,91.05 116.577,91.05 120.127,94.6 127.5,94.6 128.6,93.5 128.6,91.25 R58.2@128.8,91.05
  Top Layer w0.5: J5.9@51.155,83.96 J5.9@51.25,84.055
V2x: J5.8 R36.2 | length 3.5
  Top Layer w0.5: J5.8@53.925,83.96 54,83.885 R36.2@54,80.45
V2y: J5.7 R35.2 | length 3.5
  Top Layer w0.5: J5.7@56.695,83.96 56.75,83.905 R35.2@56.75,80.45
V2z: J5.6 R34.2 | length 3.5
  Top Layer w0.5: J5.6@59.465,83.96 59.5,83.925 R34.2@59.5,80.45
V_temperature1: DA8.8 J4.6 R32.1 TP8.1 | length 30
  Top Layer w0.3: DA8.8@122.888,81.69 124.21,81.69 126.4,79.5 ; TP8.1@126.4,77.3 126.4,79.5 ; R32.1@132.3,80.74 132.3,79.6 132.2,79.5 126.4,79.5
  Bottom Layer w0.5: TP8.1@126.4,77.3 128.135,77.3 129.653,75.782 J4.6@142.107,75.782
V_temperature2: DA8.14 J4.9 R56.1 TP9.1 | length 36.2
  Top Layer w0.3: DA8.14@122.888,89.31 124.41,89.31 125.05,89.95 R56.1@126.6,89.95 126.6,91.23 125.08,92.75 TP9.1@123,92.75
  Top Layer w0.5: TP9.1@122.888,92.638 TP9.1@123,92.75
  Bottom Layer w0.3: TP9.1@123,92.75 132.76,92.75 J4.9@144.647,80.862
pads on no net: DA1.8 DA1.14 DA4.14 DA4.15 DA4.16 DA4.17 DA4.26 DA4.27 DA4.28 DA6.5 DA6.8 DA7.3 DA7.13 DA7.14 DA11.1 DA11.3 DA11.4 DA11.5 DA11.7 DA11.8 DD1.6 DD1.8 DD1.11 DD2.1 J1.3 J1.4 J3.10 J3.16 J4.10 J6.4 J6.MTG1 J6.MTG2 J7.1 J7.4 J7.6 J7.7 J7.8 J7.9 K1.3 K1.4 K1.5 K1.6 R63.1 R66.1 U1.1 U1.2 U1.3 U1.4 U1.5 U1.6 U1.9 U1.17 U1.18 U1.21 U1.22 U1.23 U1.25 U1.28 U1.29 U1.30 U1.31 U1.32 U1.40

## Polygon pours and split planes (outlines as drawn)
GND on Top Layer "GND_L01_P032" (solid, remove dead copper, pour order 32): 1,1 1,96 151,96 151,1
no net on Top Layer "NONET_L01_P000" (solid, remove dead copper, pour order 0): 0.8,96
no net on Top Layer "NONET_L01_P004" (solid, remove dead copper, pour order 4): 73.1,61.9
GND on Bottom Layer "GND_L04_P034" (solid, remove dead copper, pour order 34): 151,1 151,96 1,96 1,1
no net on Bottom Layer "NONET_L04_P006" (solid, remove dead copper, pour order 6): -0.2,-0.2
no net on Bottom Layer "NONET_L04_P008" (solid, remove dead copper, pour order 8): -0.2,-0.2
GND on Signal Layer 2 "GND_L03_P038" (solid, remove dead copper, pour order 38): 1,96 1,1 151,1 151,96
5Vin on Signal Layer 2 "5VIN_L03_P030" (solid, remove dead copper, pour order 30): 52.8,3 76,3 80,7 121.9,7 137,22.1 137,45 117,65 30,65 30,19 46,3
GND on Signal Layer 1 "GND_L02_P036" (solid, remove dead copper, pour order 36): 1,96 1,1 151,1 151,96

## Other copper
Top Layer:
  pour cut-out: 123,10.8
  pour cut-out: 123.796,9.904 135.204,9.904 135.204,1.396 123.796,1.396

## Silkscreen, mask and mechanical layers (free items; w line width, h text height)
Top Overlay:
  text "HALL" at 84.4,94.3 h1.2
  text "ADS1216 INPUT" at 135.687,86.309 h1.2
  text "REF ADS1216" at 5.613,86.233 h1.1
  text "RS232" at 143.3,62.1 h1.2
  text "ADS1216" at 1.778,13.818 h1.2
  text "POWER ON" at 53.543,7.747 h1.2
  text "+" at 77.1,5.775 h1.5
  text "5V IN" at 95.625,2.125 h1.2
  text "UART USB" at 113.741,2.134 h1.2
Top Solder:
  text "CROSS BOARD V0" at 108.3,68.8 h2
  text "04.2023" at 121.8,64.7 h2
Mechanical7:
  circle w0.254: c4.216,4.877 r0.318
  circle w0.254: c4.216,92.1 r0.318
  circle w0.254: c147.752,92.1 r0.353
  circle w0.254: c147.752,4.877 r0.331
  lines w0.1: -1.321,4.877 157.353,4.877 ; -1.219,92.1 154.28,92.1 ; 4.216,2.616 4.216,99.466 ; 147.752,1.346 147.752,96.114
Mechanical 5:
  the board outline again, w0.1

## Dimensions
4.2,4.9 to 147.8,4.9 on Mechanical 8
147.8,92.1 to 147.8,4.9 on Mechanical 8
4.2,4.9 to 4.2,92.1 on Mechanical 8
152,0 to 152,97 on Mechanical 8
0,0 to 152,0 on Mechanical 8

## Text inside footprints (layer, text, board x,y; h text height)
DA1: Top Overlay "*" at 60.383,33.449 h1.1; Mechanical 13 "*" at 60.383,33.449 h1.1
J1: Top Overlay "1" at 80.18,6.145 h1; Mechanical 14 "1" at 80.18,6.145 h1
J2: Top Overlay "1" at 3.855,76.21 h1 r90; Mechanical 14 "1" at 3.855,76.21 h1 r90
J3: Top Overlay "1" at 13.38,24.115 h1.1 r90; Top Overlay "14" at 10.78,24.14 h1.1 r90; Top Overlay "25" at 10.73,60.04 h1.1 r90; Mechanical 14 "1" at 13.38,24.115 h1.1 r90; Mechanical 14 "14" at 10.78,24.14 h1.1 r90; Mechanical 14 "25" at 10.73,60.04 h1.1 r90
J4: Top Overlay "10" at 140.837,80.227 h1.1 r90; Mechanical 14 "10" at 140.837,80.227 h1.1 r90
J5: Top Overlay "14" at 73.755,86 h1.2; Top Overlay "25" at 37.855,85.95 h1.2; Top Overlay "1" at 75.14,83.46 h1.2; Mechanical 14 "14" at 73.755,86 h1.2; Mechanical 14 "25" at 37.855,85.95 h1.2; Mechanical 14 "1" at 75.14,83.46 h1.2
J7: Top Overlay "6" at 143.803,52.385 h1.2 r270; Top Overlay "5" at 141.303,39.16 h1.2 r270; Top Overlay "1" at 141.303,53.36 h1.2 r270; Top Overlay "9" at 143.803,40.26 h1.2 r270; Mechanical 14 "9" at 143.803,40.26 h1.2 r270; Mechanical 14 "1" at 141.303,53.36 h1.2 r270; Mechanical 14 "5" at 141.303,39.16 h1.2 r270; Mechanical 14 "6" at 143.803,52.385 h1.2 r270